# Altium PCB Charge ContollerV2.PcbDoc (part 1 of 2) (continued)
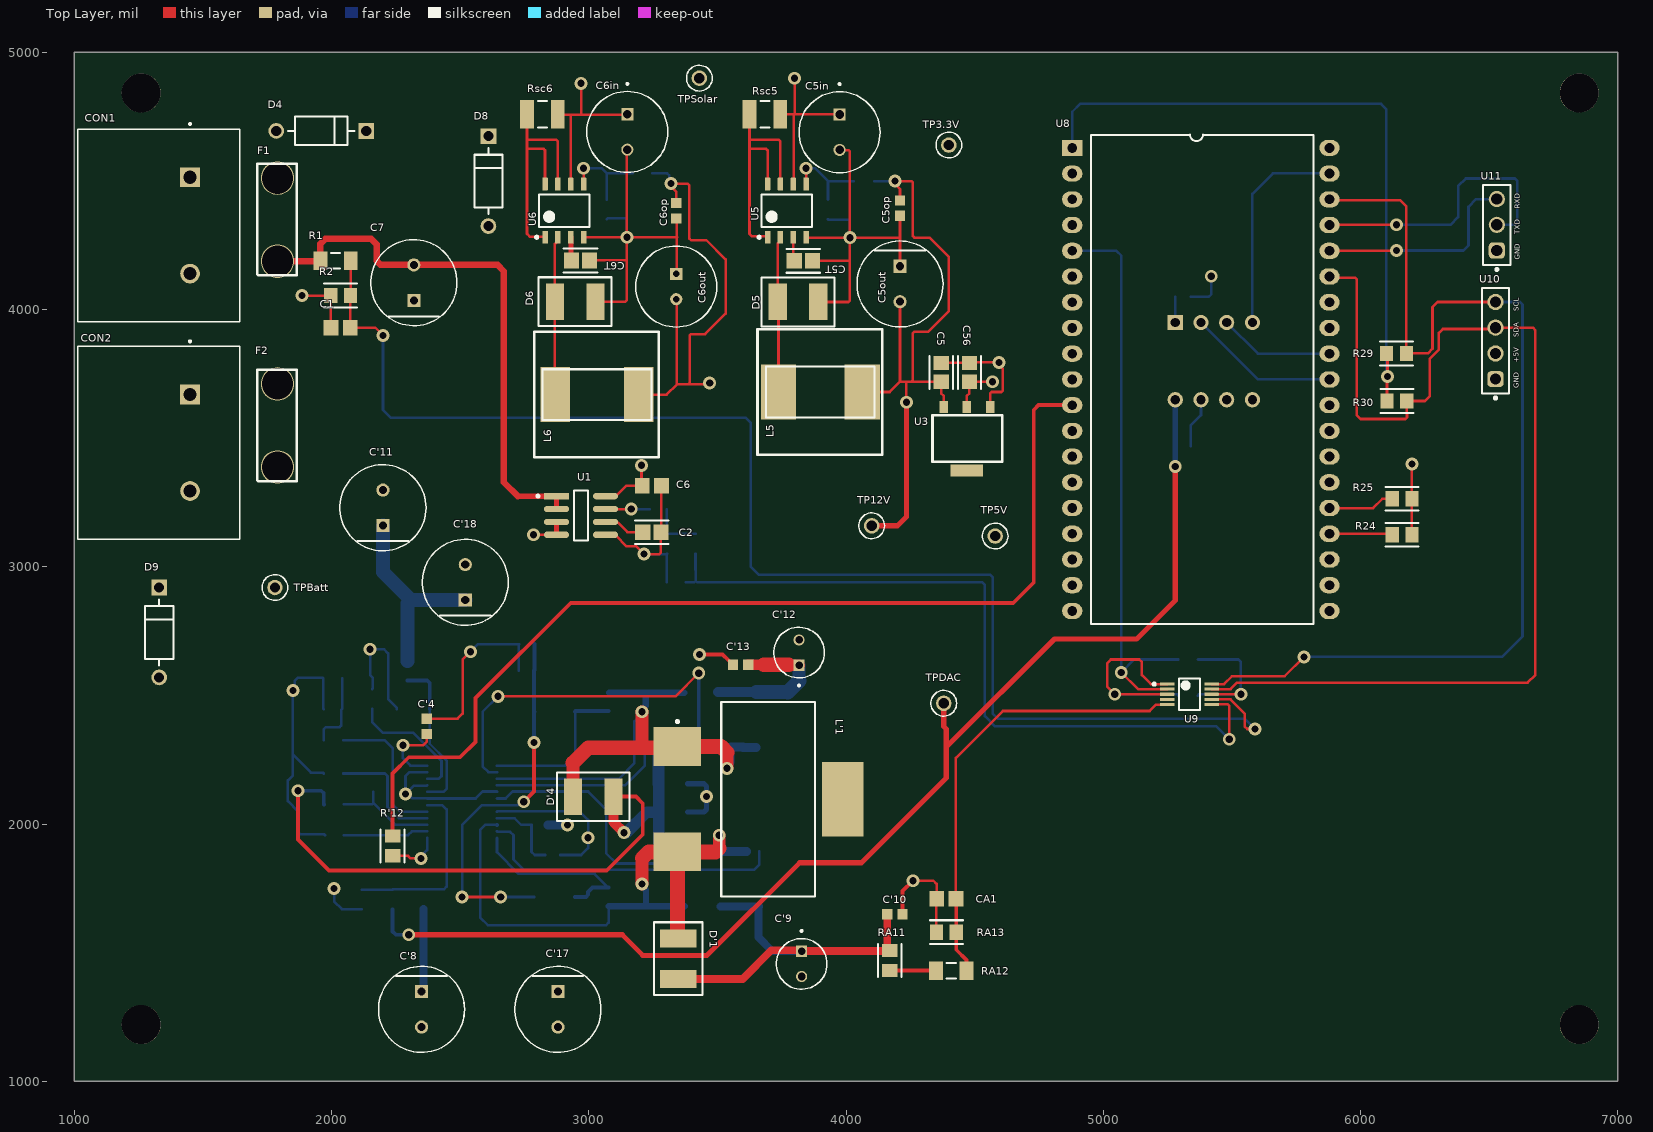
[diagram p0: Top Layer view]
## Part data (continued)
C'7: library part C0805C680J5GACTU, "68pF ±5% 50V C0G 0805 Multilayer Ceramic Capacitors MLCC - SMD/SMT RoHS", Case Code (Imperial)=0805, Dielectric=C0G, Dielectric Material=Ceramic, Manufacturer=KEMET, Max Operating Temperature=125°C, Min Operating Temperature=-55°C, Supplier Part Number=399-C0805C680J5GACTUCT-ND, Temperature Coefficient=30ppm/°C, Tolerance=5%, Voltage=50V, Case/Package=0805, Category="Ceramic Capacitors", China RoHS=Compliant, ComponentLink1Description=https://datasheet.octopart.com:443/C0805C680J5GACTU-KEMET-datasheet-178132257.pdf?src-supplier=IHS, ComponentLink1URL=https://datasheet.octopart.com:443/C0805C680J5GACTU-KEMET-datasheet-178132257.pdf?src-supplier=IHS, ComponentLink2Description=https://datasheet.octopart.com:443/C0805C680J5GACTU-KEMET-datasheet-68331921.pdf?src-supplier=Upverter, ComponentLink2URL=https://datasheet.octopart.com:443/C0805C680J5GACTU-KEMET-datasheet-68331921.pdf?src-supplier=Upverter, ComponentLink3Description=https://datasheet.octopart.com:443/C0805C680J5GACTU-KEMET-datasheet-188512010.pdf?src-supplier=JRH+Electronics, ComponentLink3URL=https://datasheet.octopart.com:443/C0805C680J5GACTU-KEMET-datasheet-188512010.pdf?src-supplier=JRH+Electronics, ComponentLink4Description=https://datasheet.octopart.com:443/C0805C680J5GACTU-KEMET-datasheet-176142360.pdf?src-supplier=element14+APAC, ComponentLink4URL=https://datasheet.octopart.com:443/C0805C680J5GACTU-KEMET-datasheet-176142360.pdf?src-supplier=element14+APAC, ComponentLink5Description=https://datasheet.octopart.com:443/C0805C680J5GACTU-KEMET-datasheet-169691548.pdf?src-supplier=element14+APAC, ComponentLink5URL=https://datasheet.octopart.com:443/C0805C680J5GACTU-KEMET-datasheet-169691548.pdf?src-supplier=element14+APAC, ComponentLink6Description=https://datasheet.octopart.com:443/C0805C680J5GACTU-Kemet-datasheet-22084244.pdf?src-supplier=element14+APAC, ComponentLink6URL=https://datasheet.octopart.com:443/C0805C680J5GACTU-Kemet-datasheet-22084244.pdf?src-supplier=element14+APAC, ComponentLink7Description=https://datasheet.octopart.com:443/C0805C680J5GACTU-KEMET-datasheet-101576340.pdf?src-supplier=Farnell, ComponentLink7URL=https://datasheet.octopart.com:443/C0805C680J5GACTU-KEMET-datasheet-101576340.pdf?src-supplier=Farnell, ComponentLink8Description=https://datasheet.octopart.com:443/C0805C680J5GACTU-Kemet-datasheet-500041.pdf?src-supplier=Farnell, ComponentLink8URL=https://datasheet.octopart.com:443/C0805C680J5GACTU-Kemet-datasheet-500041.pdf?src-supplier=Farnell, ComponentLink9Description=https://datasheet.octopart.com:443/C0805C680J5GACTU-KEMET-datasheet-41232428.pdf?src-supplier=Electro+Sonic, ComponentLink9URL=https://datasheet.octopart.com:443/C0805C680J5GACTU-KEMET-datasheet-41232428.pdf?src-supplier=Electro+Sonic, ComponentLink10Description=https://datasheet.octopart.com:443/C0805C680J5GACTU-Kemet-datasheet-5314449.pdf?src-supplier=Newark, ComponentLink10URL=https://datasheet.octopart.com:443/C0805C680J5GACTU-Kemet-datasheet-5314449.pdf?src-supplier=Newark, ComponentLink11Description=https://datasheet.octopart.com:443/C0805C680J5GACTU-Kemet-datasheet-10282724.pdf?src-supplier=Newark, ComponentLink11URL=https://datasheet.octopart.com:443/C0805C680J5GACTU-Kemet-datasheet-10282724.pdf?src-supplier=Newark, ComponentLink12Description=https://datasheet.octopart.com:443/C0805C680J5GACTU-KEMET-datasheet-176142361.pdf?src-supplier=Newark, ComponentLink12URL=https://datasheet.octopart.com:443/C0805C680J5GACTU-KEMET-datasheet-176142361.pdf?src-supplier=Newark, ComponentLink13Description=https://datasheet.octopart.com:443/C0805C680J5GACTU-KEMET-datasheet-96932530.pdf?src-supplier=TME, ComponentLink13URL=https://datasheet.octopart.com:443/C0805C680J5GACTU-KEMET-datasheet-96932530.pdf?src-supplier=TME, ComponentLink14Description=https://datasheet.octopart.com/C0805C680J5GACTU-KEMET-datasheet-84169754.pdf, ComponentLink14URL=https://datasheet.octopart.com/C0805C680J5GACTU-KEMET-datasheet-84169754.pdf, ComponentLink15Description=https://datasheet.octopart.com:443/C0805C680J5GAC-TU-Kemet-datasheet-8318427.pdf?src-supplier=Jameco, ComponentLink15URL=https://datasheet.octopart.com:443/C0805C680J5GAC-TU-Kemet-datasheet-8318427.pdf?src-supplier=Jameco, ComponentLink16Description=https://datasheet.octopart.com:443/C0805C680J5GACTU-Kemet-datasheet-464.pdf?src-supplier=RS+(Formerly+Allied+Electronics), ComponentLink16URL=https://datasheet.octopart.com:443/C0805C680J5GACTU-Kemet-datasheet-464.pdf?src-supplier=RS+(Formerly+Allied+Electronics), Contact Material=Tin, Depth=1.25mm, Dissipation Factor=0.1%, Height=780µm, Lead Free="Lead Free", Lead Pitch=750µm, Length=2mm, Lifecycle Status=Production, Manufacturer Part Number=C0805C680J5GACTU, Material=Ceramic, Mounting Technology="Surface Mount", Number of Terminals=2, Packaging="Cut Tape", Pins=2, Pricing="1=0.13, 10=0.072, 50=0.05, 100=0.0418, 500=0.02858, 1000=0.02212 (USD)", Radiation Hardening=No, REACH SVHC=Yes, RoHS=Compliant, Schedule B="8532240020, 8532240020|8532240020|8532240020|8532240020|8532240020", Stock=36244, Supplier=DigiKey, Termination=SMD/SMT, Thickness=889µm, Voltage Rating=50V, Voltage Rating (AC)=50V, Voltage Rating (DC)=50V, Width=1.25mm
C'8 C'17: library part EEUFS1V331LB, "Panasonic EEUFS1V331LB - Aluminum Electrolytic Capacitors (Radial Lead Type)", Case/Package=Radial, Leakage Current=115.5µA, Manufacturer=Panasonic, Manufacturer Lifecycle Status=ACTIVE, Max Operating Temperature=105°C, Min Operating Temperature=-40°C, Ripple Current=1.24A, Supplier Part Number=667-EEU-FS1V331LB, Tolerance=20%, Voltage Rating=35V, Category="Aluminum Electrolytic Capacitors", ComponentLink1Description=https://datasheet.octopart.com:443/EEUFS1V331LB-Panasonic-datasheet-182101040.pdf?src-supplier=IHS, ComponentLink1URL=https://datasheet.octopart.com:443/EEUFS1V331LB-Panasonic-datasheet-182101040.pdf?src-supplier=IHS, ComponentLink2Description=https://datasheet.octopart.com:443/EEUFS1V331LB-Panasonic-datasheet-86450771.pdf?src-supplier=Panasonic, ComponentLink2URL=https://datasheet.octopart.com:443/EEUFS1V331LB-Panasonic-datasheet-86450771.pdf?src-supplier=Panasonic, ComponentLink3Description=https://datasheet.octopart.com:443/EEU-FS1V331LB-Panasonic-datasheet-169407949.pdf?src-supplier=Electro+Sonic, ComponentLink3URL=https://datasheet.octopart.com:443/EEU-FS1V331LB-Panasonic-datasheet-169407949.pdf?src-supplier=Electro+Sonic, ComponentLink4Description=https://datasheet.octopart.com:443/EEUFS1V331LB-Panasonic-datasheet-150469844.pdf?src-supplier=TME, ComponentLink4URL=https://datasheet.octopart.com:443/EEUFS1V331LB-Panasonic-datasheet-150469844.pdf?src-supplier=TME, ComponentLink5Description=https://datasheet.octopart.com:443/EEUFS1V331LB-Panasonic-datasheet-136612406.pdf?src-supplier=Newark, ComponentLink5URL=https://datasheet.octopart.com:443/EEUFS1V331LB-Panasonic-datasheet-136612406.pdf?src-supplier=Newark, ComponentLink6Description=https://datasheet.octopart.com:443/EEU-FS1V331LB-Panasonic-datasheet-140570508.pdf?src-supplier=Arrow.cn, ComponentLink6URL=https://datasheet.octopart.com:443/EEU-FS1V331LB-Panasonic-datasheet-140570508.pdf?src-supplier=Arrow.cn, Diameter=8mm, Dissipation Factor=12%, Height=16.5mm, Length=15mm, Lifecycle Status=Production, Manufacturer Part Number=EEUFS1V331LB, Number of Terminals=2, Part Series=FS-A, Pricing="1=0.73, 10=0.351, 50=0.351, 100=0.314, 1000=0.202, 10000=0.191 (USD)", REACH SVHC=Yes, RoHS=Compliant, Schedule B="8532220020, 8532220020|8532220020|8532220020|8532220020|8532220020|8532220020|8532220020|8532220020|8532220020|8532220020|8532220020|8532220020|8532220020|8532220020|8532220020|8532220020|8532220020|8532220020|8532220020|8532220020|8532220020|8532220020|8532220020|85", Stock=17380, Supplier=Mouser, Terminal Pitch=5mm, Voltage Rating (DC)=35V
C'9 C'12: library part ECA-1HM220I, "Cap Aluminum 22uF 50V 20% (5 X 11mm) Radial 2.5mm 100mA 2000h 85C Ammo Pack", Case/Package=Radial, Leakage Current=11µA, Manufacturer=Panasonic, Manufacturer Lifecycle Status=ACTIVE, Max Operating Temperature=85°C, Min Operating Temperature=-40°C, Ripple Current=100mA, Supplier Part Number=10-ECA-1HM220ICT-ND, Tolerance=20%, Voltage=50V, Category="Aluminum Electrolytic Capacitors", ComponentLink1Description=https://datasheet.octopart.com:443/ECA1HM220I-Panasonic-datasheet-182100706.pdf?src-supplier=IHS, ComponentLink1URL=https://datasheet.octopart.com:443/ECA1HM220I-Panasonic-datasheet-182100706.pdf?src-supplier=IHS, ComponentLink2Description=https://datasheet.octopart.com:443/ECA-1HM220I-Panasonic-datasheet-68071800.pdf?src-supplier=Panasonic, ComponentLink2URL=https://datasheet.octopart.com:443/ECA-1HM220I-Panasonic-datasheet-68071800.pdf?src-supplier=Panasonic, ComponentLink3Description=https://datasheet.octopart.com:443/ECA-1HM220I-Panasonic-datasheet-136531302.pdf?src-supplier=Newark, ComponentLink3URL=https://datasheet.octopart.com:443/ECA-1HM220I-Panasonic-datasheet-136531302.pdf?src-supplier=Newark, ComponentLink4Description=https://datasheet.octopart.com:443/ECA-1HM220I-Panasonic-datasheet-13269089.pdf?src-supplier=Newark, ComponentLink4URL=https://datasheet.octopart.com:443/ECA-1HM220I-Panasonic-datasheet-13269089.pdf?src-supplier=Newark, ComponentLink5Description=https://datasheet.octopart.com:443/ECA-1HM220I-Panasonic-datasheet-41283247.pdf?src-supplier=Future+Electronics, ComponentLink5URL=https://datasheet.octopart.com:443/ECA-1HM220I-Panasonic-datasheet-41283247.pdf?src-supplier=Future+Electronics, ComponentLink6Description=https://datasheet.octopart.com:443/ECA-1HM220I-Panasonic-datasheet-8835241.pdf?src-supplier=Future+Electronics, ComponentLink6URL=https://datasheet.octopart.com:443/ECA-1HM220I-Panasonic-datasheet-8835241.pdf?src-supplier=Future+Electronics, ComponentLink7Description=https://datasheet.octopart.com:443/ECA-1HM220I-Panasonic-datasheet-154766079.pdf?src-supplier=Master+Electronics, ComponentLink7URL=https://datasheet.octopart.com:443/ECA-1HM220I-Panasonic-datasheet-154766079.pdf?src-supplier=Master+Electronics, ComponentLink8Description=https://datasheet.octopart.com:443/ECA1HM220I-Panasonic-datasheet-151511718.pdf?src-supplier=TME, ComponentLink8URL=https://datasheet.octopart.com:443/ECA1HM220I-Panasonic-datasheet-151511718.pdf?src-supplier=TME, ComponentLink9Description=https://datasheet.octopart.com:443/ECA-1HM220I-Panasonic-datasheet-11548270.pdf?src-supplier=Arrow+Electronics, ComponentLink9URL=https://datasheet.octopart.com:443/ECA-1HM220I-Panasonic-datasheet-11548270.pdf?src-supplier=Arrow+Electronics, ComponentLink10Description=https://datasheet.octopart.com:443/ECA-1HM220I-Panasonic-datasheet-10858707.pdf?src-supplier=RS+(Formerly+Allied+Electronics), ComponentLink10URL=https://datasheet.octopart.com:443/ECA-1HM220I-Panasonic-datasheet-10858707.pdf?src-supplier=RS+(Formerly+Allied+Electronics), ComponentLink11Description=https://datasheet.octopart.com:443/ECA-1HM220I-Panasonic-datasheet-1802.pdf?src-supplier=DigiKey, ComponentLink11URL=https://datasheet.octopart.com:443/ECA-1HM220I-Panasonic-datasheet-1802.pdf?src-supplier=DigiKey, ComponentLink12Description=https://datasheet.octopart.com:443/ECA-1HM220I-Panasonic-datasheet-41178966.pdf?src-supplier=Electro+Sonic, ComponentLink12URL=https://datasheet.octopart.com:443/ECA-1HM220I-Panasonic-datasheet-41178966.pdf?src-supplier=Electro+Sonic, Diameter=5mm, Dissipation Factor=12%, Height=12mm, Height - Seated (Max)=11.9888mm, Lead Diameter=500µm, Lead Free="Lead Free", Lead Pitch=2.5mm, Lead/Base Style=Straight, Length=11mm, Life (Hours)=2000hours, Lifecycle Status=Production, Manufacturer Part Number=ECA-1HM220I, Mounting Technology="PCB, Through Hole", Number of Terminals=2, Packaging="Cut Tape", Part Series=M-A, Pricing="1=0.24, 10=0.148, 50=0.1068, 100=0.0937, 500=0.07118, 1000=0.06404 (USD)", Radiation Hardening=No, REACH SVHC=Yes, RoHS=Compliant, Schedule B="8532220020, 8532220020|8532220020|8532220020|8532220020|8532220020", Stock=7482, Supplier=DigiKey, Terminal Pitch=2.5mm, Termination=Radial, Voltage Rating=50V, Voltage Rating (DC)=50V
C'11 C'18: library part ECA-1HM221B, "Cap Aluminum 220uF 50V 20% (10 X 12.5mm) Radial 5mm 400mA 2000h 85 C Ammo Pack", Case/Package=Radial, Leakage Current=110µA, Manufacturer=Panasonic, Manufacturer Lifecycle Status=ACTIVE, Max Operating Temperature=85°C, Min Operating Temperature=-40°C, Ripple Current=400mA, Supplier Part Number=667-ECA-1HM221B, Tolerance=20%, Voltage=50V, Category="Aluminum Electrolytic Capacitors", ComponentLink1Description=https://datasheet.octopart.com:443/ECA1HM221B-Panasonic-datasheet-182100706.pdf?src-supplier=IHS, ComponentLink1URL=https://datasheet.octopart.com:443/ECA1HM221B-Panasonic-datasheet-182100706.pdf?src-supplier=IHS, ComponentLink2Description=https://datasheet.octopart.com:443/ECA-1HM221B-Panasonic-datasheet-68071800.pdf?src-supplier=Newark, ComponentLink2URL=https://datasheet.octopart.com:443/ECA-1HM221B-Panasonic-datasheet-68071800.pdf?src-supplier=Newark, ComponentLink3Description=https://datasheet.octopart.com:443/ECA-1HM221B-Panasonic-datasheet-13269089.pdf?src-supplier=Newark, ComponentLink3URL=https://datasheet.octopart.com:443/ECA-1HM221B-Panasonic-datasheet-13269089.pdf?src-supplier=Newark, ComponentLink4Description=https://datasheet.octopart.com:443/ECA-1HM221B-Panasonic-datasheet-41283247.pdf?src-supplier=Future+Electronics, ComponentLink4URL=https://datasheet.octopart.com:443/ECA-1HM221B-Panasonic-datasheet-41283247.pdf?src-supplier=Future+Electronics, ComponentLink5Description=https://datasheet.octopart.com:443/ECA-1HM221B-Panasonic-datasheet-8835241.pdf?src-supplier=Future+Electronics, ComponentLink5URL=https://datasheet.octopart.com:443/ECA-1HM221B-Panasonic-datasheet-8835241.pdf?src-supplier=Future+Electronics, ComponentLink6Description=https://datasheet.octopart.com:443/ECA-1HM221B-Panasonic-datasheet-136531302.pdf?src-supplier=Farnell, ComponentLink6URL=https://datasheet.octopart.com:443/ECA-1HM221B-Panasonic-datasheet-136531302.pdf?src-supplier=Farnell, ComponentLink7Description=https://datasheet.octopart.com:443/ECA-1HM221B-Panasonic-datasheet-154766079.pdf?src-supplier=Master+Electronics, ComponentLink7URL=https://datasheet.octopart.com:443/ECA-1HM221B-Panasonic-datasheet-154766079.pdf?src-supplier=Master+Electronics, ComponentLink8Description=https://datasheet.octopart.com:443/ECA1HM221B-Panasonic-datasheet-5314274.pdf?src-supplier=Jameco, ComponentLink8URL=https://datasheet.octopart.com:443/ECA1HM221B-Panasonic-datasheet-5314274.pdf?src-supplier=Jameco, ComponentLink9Description=https://datasheet.octopart.com:443/ECA1HM221B-Panasonic-datasheet-151511718.pdf?src-supplier=TME, ComponentLink9URL=https://datasheet.octopart.com:443/ECA1HM221B-Panasonic-datasheet-151511718.pdf?src-supplier=TME, ComponentLink10Description=https://datasheet.octopart.com:443/ECA-1HM221B-Panasonic-datasheet-10858707.pdf?src-supplier=RS+(Formerly+Allied+Electronics), ComponentLink10URL=https://datasheet.octopart.com:443/ECA-1HM221B-Panasonic-datasheet-10858707.pdf?src-supplier=RS+(Formerly+Allied+Electronics), ComponentLink11Description=https://datasheet.octopart.com:443/ECA-1HM221B-Panasonic-datasheet-1802.pdf?src-supplier=DigiKey, ComponentLink11URL=https://datasheet.octopart.com:443/ECA-1HM221B-Panasonic-datasheet-1802.pdf?src-supplier=DigiKey, ComponentLink12Description=https://datasheet.octopart.com:443/ECA-1HM221B-Panasonic-datasheet-41178966.pdf?src-supplier=Electro+Sonic, ComponentLink12URL=https://datasheet.octopart.com:443/ECA-1HM221B-Panasonic-datasheet-41178966.pdf?src-supplier=Electro+Sonic, Contact Plating=Tin, Diameter=10mm, Dissipation Factor=12%, Height=13.5mm, Height - Seated (Max)=13.4874mm, Lead Diameter=600µm, Lead Free="Lead Free", Lead Pitch=5mm, Lead/Base Style=Straight, Length=12.5mm, Life (Hours)=2000hours, Lifecycle Status=Production, Manufacturer Part Number=ECA-1HM221B, Mounting Technology="PCB, Through Hole", Number of Terminals=2, Packaging="Cut Tape", Part Series=M-A, Pricing="1=0.53, 10=0.261, 50=0.261, 100=0.232, 1000=0.149, 10000=0.131 (USD)", Radiation Hardening=No, REACH SVHC=Yes, RoHS=Compliant, Schedule B="8532220020, 8532220020|8532220020, 8532220020|8532220020|8532220020, 8532220020|8532220020|8532220020|8532220020", Stock=7201, Supplier=Mouser, Terminal Pitch=5mm, Termination=Radial, Voltage Rating=50V, Voltage Rating (DC)=50V
C'14: library part GCM21B5C1H223JA16L, "50V 22nF C0G ±5% 0805 Multilayer Ceramic Capacitors MLCC - SMD/SMT ROHS", Case Code (Imperial)=0805, Case Code (Metric)=2012, Dielectric=C0G, Dielectric Material=Ceramic, Manufacturer=Murata, Manufacturer Lifecycle Status="IN PRODUCTION", Max Operating Temperature=125°C, Min Operating Temperature=-55°C, Ratings=AEC-Q200, Supplier Part Number=490-5318-1-ND, Temperature Coefficient=30ppm/°C, Tolerance=5%, Voltage Rating=50V, Case/Package=0805, Category="Ceramic Capacitors", ComponentLink1Description=https://datasheet.octopart.com:443/GCM21B5C1H223JA16L-Murata-datasheet-11745108.pdf?src-supplier=Factory+Futures, ComponentLink1URL=https://datasheet.octopart.com:443/GCM21B5C1H223JA16L-Murata-datasheet-11745108.pdf?src-supplier=Factory+Futures, ComponentLink2Description=https://datasheet.octopart.com:443/GCM21B5C1H223JA16L-Murata-datasheet-155345032.pdf?src-supplier=Newark, ComponentLink2URL=https://datasheet.octopart.com:443/GCM21B5C1H223JA16L-Murata-datasheet-155345032.pdf?src-supplier=Newark, ComponentLink3Description=https://datasheet.octopart.com:443/GCM21B5C1H223JA16L-Murata-datasheet-141268559.pdf?src-supplier=Ciiva, ComponentLink3URL=https://datasheet.octopart.com:443/GCM21B5C1H223JA16L-Murata-datasheet-141268559.pdf?src-supplier=Ciiva, ComponentLink4Description=https://datasheet.octopart.com:443/GCM21B5C1H223JA16L-Murata-datasheet-140659998.pdf?src-supplier=Ciiva, ComponentLink4URL=https://datasheet.octopart.com:443/GCM21B5C1H223JA16L-Murata-datasheet-140659998.pdf?src-supplier=Ciiva, ComponentLink5Description=https://datasheet.octopart.com:443/GCM21B5C1H223JA16L-Murata-datasheet-138719440.pdf?src-supplier=Ciiva, ComponentLink5URL=https://datasheet.octopart.com:443/GCM21B5C1H223JA16L-Murata-datasheet-138719440.pdf?src-supplier=Ciiva, ComponentLink6Description=https://datasheet.octopart.com:443/GCM21B5C1H223JA16L-Murata-datasheet-12532847.pdf?src-supplier=Future+Electronics, ComponentLink6URL=https://datasheet.octopart.com:443/GCM21B5C1H223JA16L-Murata-datasheet-12532847.pdf?src-supplier=Future+Electronics, ComponentLink7Description=https://datasheet.octopart.com:443/GCM21B5C1H223JA16L-Murata-datasheet-44781085.pdf?src-supplier=Future+Electronics, ComponentLink7URL=https://datasheet.octopart.com:443/GCM21B5C1H223JA16L-Murata-datasheet-44781085.pdf?src-supplier=Future+Electronics, ComponentLink8Description=https://datasheet.octopart.com:443/GCM21B5C1H223JA16L-Murata-datasheet-12511495.pdf?src-supplier=TME, ComponentLink8URL=https://datasheet.octopart.com:443/GCM21B5C1H223JA16L-Murata-datasheet-12511495.pdf?src-supplier=TME, ComponentLink9Description=https://datasheet.octopart.com/GCM21B5C1H223JA16L-Murata-datasheet-14404521.pdf, ComponentLink9URL=https://datasheet.octopart.com/GCM21B5C1H223JA16L-Murata-datasheet-14404521.pdf, ComponentLink10Description=http://sigma.octopart.com:80/reach_statement/Murata-company-16.pdf?src-supplier=Compliance+Statements, ComponentLink10URL=http://sigma.octopart.com:80/reach_statement/Murata-company-16.pdf?src-supplier=Compliance+Statements, Depth=1.25mm, Height=1.25mm, Lead Free="Lead Free", Length=2mm, Lifecycle Status=Production, Manufacturer Part Number=GCM21B5C1H223JA16L, Material=Ceramic, Mounting Technology="Surface Mount", Number of Terminals=2, Pricing="1=0.27, 10=0.161, 50=0.1168, 100=0.1032, 500=0.08036, 1000=0.07332 (USD)", Radiation Hardening=No, REACH SVHC=Yes, RoHS=Compliant, Schedule B="8532240020, 8532240020|8532240020, 8532240020|8532240020|8532240020, 8532240020|8532240020|8532240020|8532240020", Stock=31094, Supplier=DigiKey, Termination=SMD/SMT, Voltage Rating (DC)=50V, Width=1.25mm
C'15: library part GRM2195C1H103JA01D, "50V 10nF C0G ±5% 0805 Multilayer Ceramic Capacitors MLCC - SMD/SMT ROHS", Case Code (Imperial)=0805, Case Code (Metric)=2012, Dielectric=C0G, Dielectric Material=Ceramic, Insulation Resistance=10GΩ, Manufacturer=Murata, Manufacturer Lifecycle Status="IN PRODUCTION", Max Operating Temperature=125°C, Min Operating Temperature=-55°C, Supplier Part Number=490-1642-1-ND, Temperature Coefficient=30ppm/°C, Tolerance=5%, Voltage=50V, Case/Package=0805, Category="Ceramic Capacitors", ComponentLink1Description=https://datasheet.octopart.com:443/GRM2195C1H103JA01D-Murata-datasheet-501912.pdf?src-supplier=element14+APAC, ComponentLink1URL=https://datasheet.octopart.com:443/GRM2195C1H103JA01D-Murata-datasheet-501912.pdf?src-supplier=element14+APAC, ComponentLink2Description=https://datasheet.octopart.com:443/GRM2195C1H103JA01D-Murata-datasheet-62320245.pdf?src-supplier=element14+APAC, ComponentLink2URL=https://datasheet.octopart.com:443/GRM2195C1H103JA01D-Murata-datasheet-62320245.pdf?src-supplier=element14+APAC, ComponentLink3Description=https://datasheet.octopart.com:443/GRM2195C1H103JA01D-Murata-datasheet-165579666.pdf?src-supplier=TME, ComponentLink3URL=https://datasheet.octopart.com:443/GRM2195C1H103JA01D-Murata-datasheet-165579666.pdf?src-supplier=TME, ComponentLink4Description=https://datasheet.octopart.com:443/GRM2195C1H103JA01D-Murata-datasheet-59876780.pdf?src-supplier=TME, ComponentLink4URL=https://datasheet.octopart.com:443/GRM2195C1H103JA01D-Murata-datasheet-59876780.pdf?src-supplier=TME, ComponentLink5Description=https://datasheet.octopart.com:443/GRM2195C1H103JA01D-Murata-datasheet-141277268.pdf?src-supplier=Ciiva, ComponentLink5URL=https://datasheet.octopart.com:443/GRM2195C1H103JA01D-Murata-datasheet-141277268.pdf?src-supplier=Ciiva, ComponentLink6Description=https://datasheet.octopart.com:443/GRM2195C1H103JA01D-Murata-datasheet-140706525.pdf?src-supplier=Ciiva, ComponentLink6URL=https://datasheet.octopart.com:443/GRM2195C1H103JA01D-Murata-datasheet-140706525.pdf?src-supplier=Ciiva, ComponentLink7Description=https://datasheet.octopart.com:443/GRM2195C1H103JA01D-Murata-datasheet-138743941.pdf?src-supplier=Ciiva, ComponentLink7URL=https://datasheet.octopart.com:443/GRM2195C1H103JA01D-Murata-datasheet-138743941.pdf?src-supplier=Ciiva, ComponentLink8Description=https://datasheet.octopart.com:443/GRM2195C1H103JA01D-Murata-datasheet-22122223.pdf?src-supplier=Future+Electronics, ComponentLink8URL=https://datasheet.octopart.com:443/GRM2195C1H103JA01D-Murata-datasheet-22122223.pdf?src-supplier=Future+Electronics, ComponentLink9Description=https://datasheet.octopart.com:443/GRM2195C1H103JA01D-Murata-datasheet-44781904.pdf?src-supplier=Future+Electronics, ComponentLink9URL=https://datasheet.octopart.com:443/GRM2195C1H103JA01D-Murata-datasheet-44781904.pdf?src-supplier=Future+Electronics, ComponentLink10Description=https://datasheet.octopart.com/GRM2195C1H103JA01D-Murata-datasheet-12515295.pdf, ComponentLink10URL=https://datasheet.octopart.com/GRM2195C1H103JA01D-Murata-datasheet-12515295.pdf, ComponentLink11Description=https://datasheet.octopart.com/GRM2195C1H103JA01D-Murata-datasheet-12510076.pdf, ComponentLink11URL=https://datasheet.octopart.com/GRM2195C1H103JA01D-Murata-datasheet-12510076.pdf, ComponentLink12Description=https://datasheet.octopart.com/GRM2195C1H103JA01D-Murata-datasheet-11978611.pdf, ComponentLink12URL=https://datasheet.octopart.com/GRM2195C1H103JA01D-Murata-datasheet-11978611.pdf, ComponentLink13Description=https://datasheet.octopart.com/GRM2195C1H103JA01D-Murata-datasheet-10025737.pdf, ComponentLink13URL=https://datasheet.octopart.com/GRM2195C1H103JA01D-Murata-datasheet-10025737.pdf, ComponentLink14Description=https://datasheet.octopart.com/GRM2195C1H103JA01D-Murata-datasheet-8819587.pdf, ComponentLink14URL=https://datasheet.octopart.com/GRM2195C1H103JA01D-Murata-datasheet-8819587.pdf, ComponentLink15Description=https://datasheet.octopart.com/GRM2195C1H103JA01D-Murata-datasheet-14397421.pdf, ComponentLink15URL=https://datasheet.octopart.com/GRM2195C1H103JA01D-Murata-datasheet-14397421.pdf, ComponentLink16Description=https://datasheet.octopart.com:443/GRM2195C1H103JA01D-Murata-datasheet-12510170.pdf?src-supplier=Factory+Futures, ComponentLink16URL=https://datasheet.octopart.com:443/GRM2195C1H103JA01D-Murata-datasheet-12510170.pdf?src-supplier=Factory+Futures, ComponentLink17Description=https://datasheet.octopart.com:443/GRM2195C1H103JA01D-Murata-datasheet-8517407.pdf?src-supplier=Factory+Futures, ComponentLink17URL=https://datasheet.octopart.com:443/GRM2195C1H103JA01D-Murata-datasheet-8517407.pdf?src-supplier=Factory+Futures, ComponentLink18Description=https://datasheet.octopart.com:443/GRM2195C1H103JA01D-Murata-datasheet-8387045.pdf?src-supplier=Factory+Futures, ComponentLink18URL=https://datasheet.octopart.com:443/GRM2195C1H103JA01D-Murata-datasheet-8387045.pdf?src-supplier=Factory+Futures, ComponentLink19Description=https://datasheet.octopart.com:443/GRM2195C1H103JA01D-Murata-datasheet-8324201.pdf?src-supplier=Factory+Futures, ComponentLink19URL=https://datasheet.octopart.com:443/GRM2195C1H103JA01D-Murata-datasheet-8324201.pdf?src-supplier=Factory+Futures, ComponentLink20Description=https://datasheet.octopart.com:443/GRM2195C1H103JA01D-Murata-datasheet-7628724.pdf?src-supplier=Factory+Futures, ComponentLink20URL=https://datasheet.octopart.com:443/GRM2195C1H103JA01D-Murata-datasheet-7628724.pdf?src-supplier=Factory+Futures, ComponentLink21Description=https://datasheet.octopart.com:443/GRM2195C1H103JA01D-Murata-datasheet-552801.pdf?src-supplier=Factory+Futures, ComponentLink21URL=https://datasheet.octopart.com:443/GRM2195C1H103JA01D-Murata-datasheet-552801.pdf?src-supplier=Factory+Futures, ComponentLink22Description=https://datasheet.octopart.com:443/GRM2195C1H103JA01D-Murata-datasheet-8367572.pdf?src-supplier=Jameco, ComponentLink22URL=https://datasheet.octopart.com:443/GRM2195C1H103JA01D-Murata-datasheet-8367572.pdf?src-supplier=Jameco, ComponentLink23Description=https://datasheet.octopart.com:443/GRM2195C1H103JA01D-Murata-datasheet-11731078.pdf?src-supplier=Arrow+Electronics, ComponentLink23URL=https://datasheet.octopart.com:443/GRM2195C1H103JA01D-Murata-datasheet-11731078.pdf?src-supplier=Arrow+Electronics, ComponentLink24Description=https://datasheet.octopart.com:443/GRM2195C1H103JA01D-Murata-datasheet-148212.pdf?src-supplier=Garrett, ComponentLink24URL=https://datasheet.octopart.com:443/GRM2195C1H103JA01D-Murata-datasheet-148212.pdf?src-supplier=Garrett, ComponentLink25Description=https://datasheet.octopart.com:443/GRM2195C1H103JA01D-Murata-datasheet-102.pdf?src-supplier=DigiKey, ComponentLink25URL=https://datasheet.octopart.com:443/GRM2195C1H103JA01D-Murata-datasheet-102.pdf?src-supplier=DigiKey, ComponentLink26Description=https://datasheet.octopart.com:443/GRM2195C1H103JA01D-Murata-datasheet-514334.pdf?src-supplier=Farnell, ComponentLink26URL=https://datasheet.octopart.com:443/GRM2195C1H103JA01D-Murata-datasheet-514334.pdf?src-supplier=Farnell, ComponentLink27Description=https://datasheet.octopart.com:443/GRM2195C1H103JA01D-Murata-datasheet-17853131.pdf?src-supplier=Farnell, ComponentLink27URL=https://datasheet.octopart.com:443/GRM2195C1H103JA01D-Murata-datasheet-17853131.pdf?src-supplier=Farnell, ComponentLink28Description=http://sigma.octopart.com:80/reach_statement/Murata-company-16.pdf?src-supplier=Compliance+Statements, ComponentLink28URL=http://sigma.octopart.com:80/reach_statement/Murata-company-16.pdf?src-supplier=Compliance+Statements, Depth=1.25mm, Height=850µm, Lead Free="Lead Free", Length=2mm, Lifecycle Status=Production, Manufacturer Part Number=GRM2195C1H103JA01D, Material=Ceramic, Mounting Technology="Surface Mount", Number of Terminals=2, Packaging="Cut Tape", Pins=2, Pricing="1=0.19, 10=0.111, 50=0.0788, 100=0.0691, 500=0.05266, 1000=0.04762 (USD)", Radiation Hardening=No, REACH SVHC=Yes, RoHS=Compliant, Schedule B="8532240020, 8532240020|8532240020, 8532240020|8532240020|8532240020, 8532240020|8532240020|8532240020|8532240020", Stock=174717, Supplier=DigiKey, Termination=SMD/SMT, Thickness=850µm, Voltage Rating=50V, Voltage Rating (DC)=50V, Width=1.25mm
C'16: library part C0805C470J5GACTU, "50V 47pF C0G ±5% 0805 Multilayer Ceramic Capacitors MLCC - SMD/SMT ROHS", Case Code (Imperial)=0805, Dielectric Material=Ceramic, Manufacturer=KEMET, Max Operating Temperature=125°C, Min Operating Temperature=-55°C, Supplier Part Number=399-C0805C470J5GACTUCT-ND, Temperature Coefficient=30ppm/°C, Tolerance=5%, Voltage=50V, Case/Package=0805, Category="Ceramic Capacitors", China RoHS=Compliant, ComponentLink1Description=https://datasheet.octopart.com:443/C0805C470J5GACTU-KEMET-datasheet-178132257.pdf?src-supplier=IHS, ComponentLink1URL=https://datasheet.octopart.com:443/C0805C470J5GACTU-KEMET-datasheet-178132257.pdf?src-supplier=IHS, ComponentLink2Description=https://datasheet.octopart.com:443/C0805C470J5GAC7800-KEMET-datasheet-182042351.pdf?src-supplier=IHS, ComponentLink2URL=https://datasheet.octopart.com:443/C0805C470J5GAC7800-KEMET-datasheet-182042351.pdf?src-supplier=IHS, ComponentLink3Description=https://datasheet.octopart.com:443/C0805C470J5GACTU-KEMET-datasheet-68331921.pdf?src-supplier=Upverter, ComponentLink3URL=https://datasheet.octopart.com:443/C0805C470J5GACTU-KEMET-datasheet-68331921.pdf?src-supplier=Upverter, ComponentLink4Description=https://datasheet.octopart.com:443/C0805C470J5GACTU-Kemet-datasheet-5314449.pdf?src-supplier=Newark, ComponentLink4URL=https://datasheet.octopart.com:443/C0805C470J5GACTU-Kemet-datasheet-5314449.pdf?src-supplier=Newark, ComponentLink5Description=https://datasheet.octopart.com:443/C0805C470J5GACTU-Kemet-datasheet-10282724.pdf?src-supplier=Newark, ComponentLink5URL=https://datasheet.octopart.com:443/C0805C470J5GACTU-Kemet-datasheet-10282724.pdf?src-supplier=Newark, ComponentLink6Description=https://datasheet.octopart.com:443/C0805C470J5GACTU-KEMET-datasheet-170667471.pdf?src-supplier=Newark, ComponentLink6URL=https://datasheet.octopart.com:443/C0805C470J5GACTU-KEMET-datasheet-170667471.pdf?src-supplier=Newark, ComponentLink7Description=https://datasheet.octopart.com:443/C0805C470J5GACTU-KEMET-datasheet-149524325.pdf?src-supplier=Farnell, ComponentLink7URL=https://datasheet.octopart.com:443/C0805C470J5GACTU-KEMET-datasheet-149524325.pdf?src-supplier=Farnell, ComponentLink8Description=https://datasheet.octopart.com:443/C0805C470J5GACTU-KEMET-datasheet-101576292.pdf?src-supplier=Farnell, ComponentLink8URL=https://datasheet.octopart.com:443/C0805C470J5GACTU-KEMET-datasheet-101576292.pdf?src-supplier=Farnell, ComponentLink9Description=https://datasheet.octopart.com:443/C0805C470J5GACTU-Kemet-datasheet-10540709.pdf?src-supplier=Farnell, ComponentLink9URL=https://datasheet.octopart.com:443/C0805C470J5GACTU-Kemet-datasheet-10540709.pdf?src-supplier=Farnell, ComponentLink10Description=https://datasheet.octopart.com:443/C0805C470J5GACTU-KEMET-datasheet-178088151.pdf?src-supplier=element14+APAC, ComponentLink10URL=https://datasheet.octopart.com:443/C0805C470J5GACTU-KEMET-datasheet-178088151.pdf?src-supplier=element14+APAC, ComponentLink11Description=https://datasheet.octopart.com:443/C0805C470J5GACTU-KEMET-datasheet-178088150.pdf?src-supplier=element14+APAC, ComponentLink11URL=https://datasheet.octopart.com:443/C0805C470J5GACTU-KEMET-datasheet-178088150.pdf?src-supplier=element14+APAC, ComponentLink12Description=https://datasheet.octopart.com:443/C0805C470J5GACTU-Kemet-datasheet-22084244.pdf?src-supplier=element14+APAC, ComponentLink12URL=https://datasheet.octopart.com:443/C0805C470J5GACTU-Kemet-datasheet-22084244.pdf?src-supplier=element14+APAC, ComponentLink13Description=https://datasheet.octopart.com:443/C0805C470J5GACTU-Kemet-datasheet-48876295.pdf?src-supplier=element14+APAC, ComponentLink13URL=https://datasheet.octopart.com:443/C0805C470J5GACTU-Kemet-datasheet-48876295.pdf?src-supplier=element14+APAC, ComponentLink14Description=https://datasheet.octopart.com:443/C0805C470J5GACTU-KEMET-datasheet-37178240.pdf?src-supplier=Electro+Sonic, ComponentLink14URL=https://datasheet.octopart.com:443/C0805C470J5GACTU-KEMET-datasheet-37178240.pdf?src-supplier=Electro+Sonic, ComponentLink15Description=https://datasheet.octopart.com:443/C0805C470J5GACTU-Kemet-datasheet-68096432.pdf?src-supplier=TME, ComponentLink15URL=https://datasheet.octopart.com:443/C0805C470J5GACTU-Kemet-datasheet-68096432.pdf?src-supplier=TME, ComponentLink16Description=https://datasheet.octopart.com/C0805C470J5GACTU-KEMET-datasheet-84169754.pdf, ComponentLink16URL=https://datasheet.octopart.com/C0805C470J5GACTU-KEMET-datasheet-84169754.pdf, ComponentLink17Description=https://datasheet.octopart.com:443/C0805C470J5GACTU-Kemet-datasheet-11967729.pdf?src-supplier=Arrow+Electronics, ComponentLink17URL=https://datasheet.octopart.com:443/C0805C470J5GACTU-Kemet-datasheet-11967729.pdf?src-supplier=Arrow+Electronics, ComponentLink18Description=https://datasheet.octopart.com:443/C0805C470J5GAC7800-KEMET-datasheet-164857143.pdf?src-supplier=Burklin+Elektronik, ComponentLink18URL=https://datasheet.octopart.com:443/C0805C470J5GAC7800-KEMET-datasheet-164857143.pdf?src-supplier=Burklin+Elektronik, ComponentLink19Description=https://datasheet.octopart.com:443/C0805C470J5GAC-TU-Kemet-datasheet-7589841.pdf?src-supplier=Jameco, ComponentLink19URL=https://datasheet.octopart.com:443/C0805C470J5GAC-TU-Kemet-datasheet-7589841.pdf?src-supplier=Jameco, ComponentLink20Description=https://datasheet.octopart.com:443/C0805C470J5GACTU-Kemet-datasheet-464.pdf?src-supplier=RS+(Formerly+Allied+Electronics), ComponentLink20URL=https://datasheet.octopart.com:443/C0805C470J5GACTU-Kemet-datasheet-464.pdf?src-supplier=RS+(Formerly+Allied+Electronics), Contact Material=Tin, Depth=1.25mm, Dissipation Factor=0.1%, Height=780µm, Lead Free="Lead Free", Lead Pitch=750µm, Length=2mm, Lifecycle Status=Production, Manufacturer Part Number=C0805C470J5GACTU, Material=Ceramic, Mounting Technology="Surface Mount", Number of Terminals=2, Packaging="Cut Tape", Pins=2, Pricing="1=0.1, 10=0.049, 50=0.0334, 100=0.0287, 500=0.02092, 1000=0.01854 (USD)", Radiation Hardening=No, REACH SVHC=Yes, RoHS=Compliant, Schedule B="8532240020, 8532240020|8532240020|8532240020|8532240020|8532240020, 8532240020|8532240020|8532240020|8532240020|8532240020|8532240020|8532240020|8532240020|8532240020, 8532240020|8532240020|8532240020|8532240020|8532240020|8532240020|8532240020|8532240020|8532240020|8532240020", Stock=124597, Supplier=DigiKey, Termination=SMD/SMT, Thickness=889µm, Voltage Rating=50V, Voltage Rating (DC)=50V, Width=1.25mm
CON1 CON2: library part 1902547, "Conn PC Terminal Block 2 POS 9.52mm Solder ST Thru-Hole 32A Cardboard", Color=Green, Current=30A, Current Rating=32A, Flammability Rating="UL94 V-0", Manufacturer="Phoenix Contact", Supplier Part Number=277-5951-ND, Voltage=600V, Voltage Rating=800V, Approvals="CSA, UL", Category="Terminal Blocks", China RoHS=Compliant, ComponentLink1Description=https://datasheet.octopart.com:443/1902547-Phoenix-Contact-datasheet-86450925.pdf?src-supplier=Farnell, ComponentLink1URL=https://datasheet.octopart.com:443/1902547-Phoenix-Contact-datasheet-86450925.pdf?src-supplier=Farnell, ComponentLink2Description=https://datasheet.octopart.com:443/MKDS-5-HV--2-9%2C52-Phoenix-Contact-datasheet-58098511.pdf?src-supplier=element14+APAC, ComponentLink2URL=https://datasheet.octopart.com:443/MKDS-5-HV--2-9%2C52-Phoenix-Contact-datasheet-58098511.pdf?src-supplier=element14+APAC, ComponentLink3Description=https://datasheet.octopart.com:443/1902547-Phoenix-Contact-datasheet-154783129.pdf?src-supplier=Electro+Sonic, ComponentLink3URL=https://datasheet.octopart.com:443/1902547-Phoenix-Contact-datasheet-154783129.pdf?src-supplier=Electro+Sonic, ComponentLink4Description=https://datasheet.octopart.com:443/1902547-Phoenix-Contact-datasheet-177362804.pdf?src-supplier=Burklin+Elektronik, ComponentLink4URL=https://datasheet.octopart.com:443/1902547-Phoenix-Contact-datasheet-177362804.pdf?src-supplier=Burklin+Elektronik, ComponentLink5Description=https://datasheet.octopart.com:443/1902547-Phoenix-Contact-datasheet-13545994.pdf?src-supplier=RS+(Formerly+Allied+Electronics), ComponentLink5URL=https://datasheet.octopart.com:443/1902547-Phoenix-Contact-datasheet-13545994.pdf?src-supplier=RS+(Formerly+Allied+Electronics), ComponentLink6Description=https://datasheet.octopart.com:443/1902547-Phoenix-Contact-datasheet-62122993.pdf?src-supplier=RS+(Formerly+Allied+Electronics), ComponentLink6URL=https://datasheet.octopart.com:443/1902547-Phoenix-Contact-datasheet-62122993.pdf?src-supplier=RS+(Formerly+Allied+Electronics), ComponentLink7Description=https://datasheet.octopart.com:443/1902547-Phoenix-Contact-datasheet-33514357.pdf?src-supplier=MRO+Stop, ComponentLink7URL=https://datasheet.octopart.com:443/1902547-Phoenix-Contact-datasheet-33514357.pdf?src-supplier=MRO+Stop, ComponentLink8Description=https://datasheet.octopart.com:443/1902547-Phoenix-Contact-datasheet-11802246.pdf?src-supplier=Arrow+Electronics, ComponentLink8URL=https://datasheet.octopart.com:443/1902547-Phoenix-Contact-datasheet-11802246.pdf?src-supplier=Arrow+Electronics, Contact Material=Tin, Depth=21.5mm, Gender=Male, Height=21.5mm, Housing Color=Green, Housing Material=Polyamide, Lead Free="Lead Free", Length=19.04mm, Lifecycle Status=Production, Manufacturer Part Number=1902547, Material=Polyamide, Max Current Rating=32A, Mounting Technology=Screw, Number of Circuits=2, Number of Contacts=2, Number of Levels=1, Number of Poles=2, Number of Positions=2, Number of Positions Per Level=2, Number of Rows=1, Orientation=Straight, Pins=2, Pitch=9.52mm, Pricing="1=2.05, 10=1.543, 25=1.2168 (USD)", REACH SVHC=Yes, RoHS=Compliant, Stock=2575, Supplier=DigiKey, Termination=Screw, Weight=6.719999g, Width=16mm, Wire Gauge (Max)=30AWG, Wire Gauge (Min)=10AWG, Wire/Cable Gauge=10AWG
D4 D8 D9: library part 1N4007-13, "Rectifier Diode, 1 Phase, 1 Element, 1A, 1300V V(RRM), Silicon, DO-204AC", Forward Voltage=1.1V, Manufacturer=Diotec, Manufacturer Lifecycle Status=ACTIVE, Max Forward Surge Current (Ifsm)=30A, Max Operating Temperature=175°C, Max Output current=1A, Min Operating Temperature=-50°C, Peak Reverse Current=5µA, Reverse Standoff Voltage=1.3kV, Supplier Part Number=4878-1N4007-13CT-ND, Category="Rectifier Diodes", ComponentLink1Description=https://datasheet.octopart.com:443/1N4007-13-Diotec-datasheet-180572013.pdf?src-supplier=IHS, ComponentLink1URL=https://datasheet.octopart.com:443/1N4007-13-Diotec-datasheet-180572013.pdf?src-supplier=IHS, ComponentLink2Description=https://datasheet.octopart.com:443/1N4007-13-Diotec-datasheet-168809440.pdf?src-supplier=Diotec, ComponentLink2URL=https://datasheet.octopart.com:443/1N4007-13-Diotec-datasheet-168809440.pdf?src-supplier=Diotec, ComponentLink3Description=https://datasheet.octopart.com:443/1N4007-13-Diotec-datasheet-118605333.pdf?src-supplier=TME, ComponentLink3URL=https://datasheet.octopart.com:443/1N4007-13-Diotec-datasheet-118605333.pdf?src-supplier=TME, ComponentLink4Description=https://datasheet.octopart.com:443/1N4007-13-Diotec-datasheet-114842631.pdf?src-supplier=TME, ComponentLink4URL=https://datasheet.octopart.com:443/1N4007-13-Diotec-datasheet-114842631.pdf?src-supplier=TME, ComponentLink5Description=https://datasheet.octopart.com:443/1N4007-13-Diotec-datasheet-62346875.pdf?src-supplier=TME, ComponentLink5URL=https://datasheet.octopart.com:443/1N4007-13-Diotec-datasheet-62346875.pdf?src-supplier=TME, ComponentLink6Description=https://datasheet.octopart.com:443/1N4007-13-Diotec-datasheet-20771558.pdf?src-supplier=TME, ComponentLink6URL=https://datasheet.octopart.com:443/1N4007-13-Diotec-datasheet-20771558.pdf?src-supplier=TME, ComponentLink7Description=https://datasheet.octopart.com:443/1N4007-13-Diotec-datasheet-159114366.pdf?src-supplier=TME, ComponentLink7URL=https://datasheet.octopart.com:443/1N4007-13-Diotec-datasheet-159114366.pdf?src-supplier=TME, ComponentLink8Description=https://datasheet.octopart.com:443/1N4007-13-Diotec-datasheet-189099566.pdf?src-supplier=Master+Electronics, ComponentLink8URL=https://datasheet.octopart.com:443/1N4007-13-Diotec-datasheet-189099566.pdf?src-supplier=Master+Electronics, Element Configuration=Single, Harmonized Tariff Schedule (HTS) Code=85411000, Lifecycle Status=Production, Manufacturer Part Number=1N4007-13, Mounting Technology=Axial, Number of Elements=1, Number of Terminals=2, Polarity=Standard, Pricing="1=0.1, 10=0.072, 100=0.0639, 500=0.0464, 1000=0.03953, 2000=0.03592 (USD)", REACH SVHC=Unknown, Reverse Recovery Time=1.5µs, RoHS=Compliant, Stock=2201, Supplier=DigiKey, Weight=300mg